# Altium PCB CHAHARDOLI-7 ADAD METAL.PcbDoc (part 10 of 10)
Units mm, origin at the board's own origin, x right, y up, seen from the top; angles counter-clockwise.
Board outline 151 x 86.38 mm, 2 copper layers (Top Layer, Bottom Layer); 1512 components, 81 nets, 3736 pads, 768 vias.
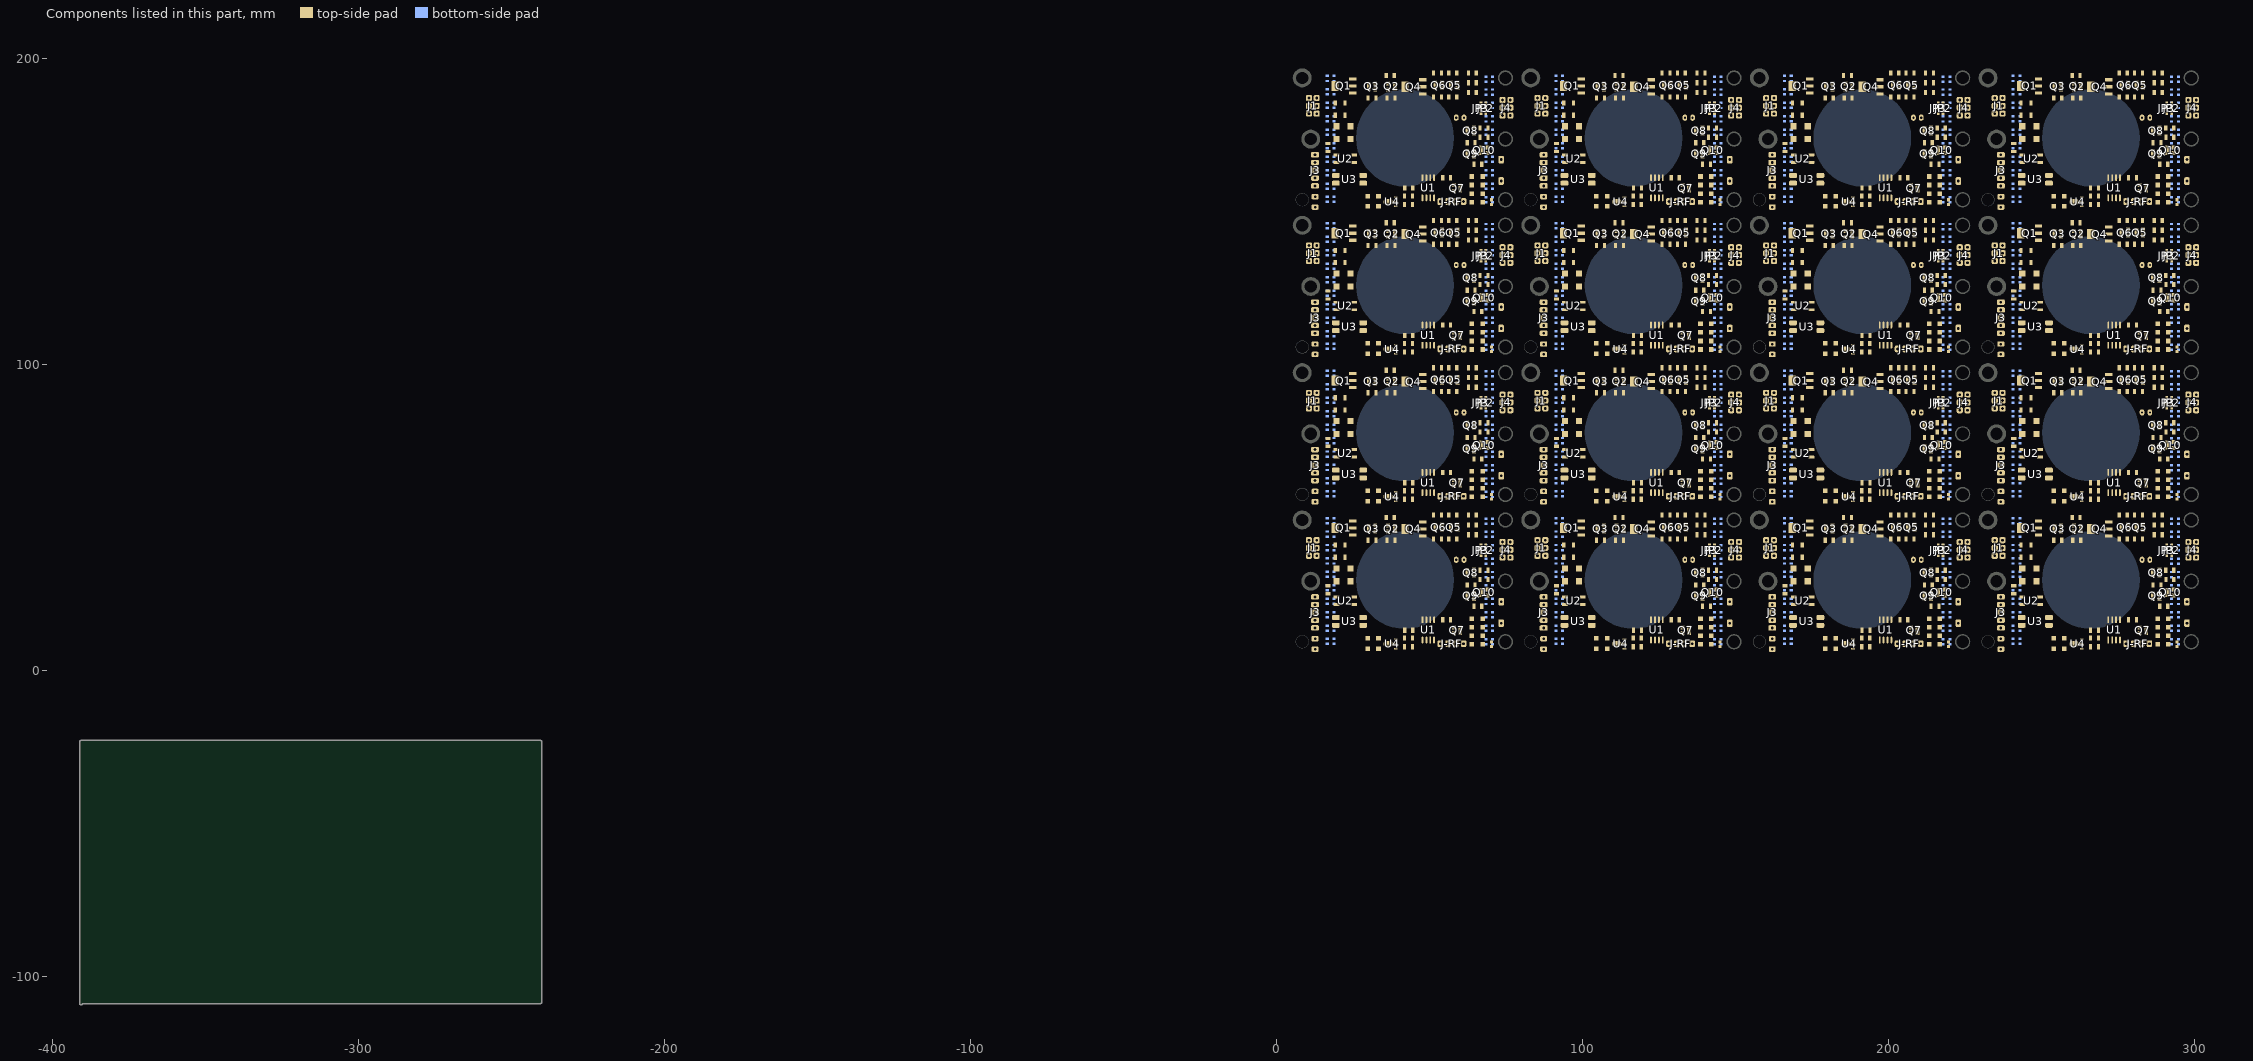
[diagram p10: the components of this part, seen from the top]

## Silkscreen, mask and mechanical layers (free items; w line width, h text height)
Top Overlay:
  drawing of 1904 lines, arcs and shapes, not listed
  text "CHAHARDOLI-7 SERI-MESHKI TOP--SEFID BOT---GHETE 2 ATRAF" at 111.4,198.6 h1.5
  text "53" at 22.736,189.845 h2 r90
  text "53" at 97.424,189.845 h2 r90
  text "53" at 172.112,189.845 h2 r90
  text "53" at 246.8,189.845 h2 r90
  text "56" at 45.336,189.545 h2 r90
  text "56" at 120.024,189.545 h2 r90
  text "56" at 194.712,189.545 h2 r90
  text "56" at 269.4,189.545 h2 r90
  text "Touched" at 69.536,187.129 h1.52 r180
  text "Touched" at 144.224,187.129 h1.52 r180
  text "Touched" at 218.912,187.129 h1.52 r180
  text "Touched" at 293.6,187.129 h1.52 r180
  text "KEY" at 6.72,183.145 h1.52 r90
  text "KEY" at 81.408,183.145 h1.52 r90
  text "KEY" at 156.096,183.145 h1.52 r90
  text "KEY" at 230.784,183.145 h1.52 r90
  text "LED" at 17.536,182.945 h1.52 r90
  text "LED" at 92.224,182.945 h1.52 r90
  text "LED" at 166.912,182.945 h1.52 r90
  text "LED" at 241.6,182.945 h1.52 r90
  text "W" at 65.736,182.845 h2 r90
  text "W" at 140.424,182.845 h2 r90
  text "W" at 215.112,182.845 h2 r90
  text "W" at 289.8,182.845 h2 r90
  text "Untouched" at 69.536,180.929 h1.52 r180
  text "Untouched" at 144.224,180.929 h1.52 r180
  text "Untouched" at 218.912,180.929 h1.52 r180
  text "Untouched" at 293.6,180.929 h1.52 r180
  text "G  R  B" at 71.736,180.345 h2.5 r90
  text "G  R  B" at 146.424,180.345 h2.5 r90
  text "G  R  B" at 221.112,180.345 h2.5 r90
  text "G  R  B" at 295.8,180.345 h2.5 r90
  text "ACS" at 17.918,176.345 h1.7 r90
  text "ACS" at 92.606,176.345 h1.7 r90
  text "ACS" at 167.294,176.345 h1.7 r90
  text "ACS" at 241.982,176.345 h1.7 r90
  text "M7" at 17.918,172.945 h1.7 r90
  text "M7" at 92.606,172.945 h1.7 r90
  text "M7" at 167.294,172.945 h1.7 r90
  text "M7" at 241.982,172.945 h1.7 r90
  text "ACS" at 14.536,167.763 h1.7
  text "ACS" at 89.224,167.763 h1.7
  text "ACS" at 163.912,167.763 h1.7
  text "ACS" at 238.6,167.763 h1.7
  text "GND" at 14.536,165.363 h1.7
  text "GND" at 89.224,165.363 h1.7
  text "GND" at 163.912,165.363 h1.7
  text "GND" at 238.6,165.363 h1.7
  text "SN" at 54.536,162.945 h2.8 r90
  text "SN" at 129.224,162.945 h2.8 r90
  text "SN" at 203.912,162.945 h2.8 r90
  text "SN" at 278.6,162.945 h2.8 r90
  text "KEY" at 14.536,162.763 h1.7
  text "KEY" at 89.224,162.763 h1.7
  text "KEY" at 163.912,162.763 h1.7
  text "KEY" at 238.6,162.763 h1.7
  text "LED" at 14.536,160.145 h1.7
  text "LED" at 89.224,160.145 h1.7
  text "LED" at 163.912,160.145 h1.7
  text "LED" at 238.6,160.145 h1.7
  text "+24" at 14.736,157.763 h1.7
  text "+24" at 89.424,157.763 h1.7
  text "+24" at 164.112,157.763 h1.7
  text "+24" at 238.8,157.763 h1.7
  text "53" at 22.736,141.7 h2 r90
  text "53" at 97.424,141.7 h2 r90
  text "53" at 172.112,141.7 h2 r90
  text "53" at 246.8,141.7 h2 r90
  text "56" at 45.336,141.4 h2 r90
  text "56" at 120.024,141.4 h2 r90
  text "56" at 194.712,141.4 h2 r90
  text "56" at 269.4,141.4 h2 r90
  text "Touched" at 69.536,138.984 h1.52 r180
  text "Touched" at 144.224,138.984 h1.52 r180
  text "Touched" at 218.912,138.984 h1.52 r180
  text "Touched" at 293.6,138.984 h1.52 r180
  text "KEY" at 6.72,135 h1.52 r90
  text "KEY" at 81.408,135 h1.52 r90
  text "KEY" at 156.096,135 h1.52 r90
  text "KEY" at 230.784,135 h1.52 r90
  text "LED" at 17.536,134.8 h1.52 r90
  text "LED" at 92.224,134.8 h1.52 r90
  text "LED" at 166.912,134.8 h1.52 r90
  text "LED" at 241.6,134.8 h1.52 r90
  text "W" at 65.736,134.7 h2 r90
  text "W" at 140.424,134.7 h2 r90
  text "W" at 215.112,134.7 h2 r90
  text "W" at 289.8,134.7 h2 r90
  text "Untouched" at 69.536,132.784 h1.52 r180
  text "Untouched" at 144.224,132.784 h1.52 r180
  text "Untouched" at 218.912,132.784 h1.52 r180
  text "Untouched" at 293.6,132.784 h1.52 r180
  text "G  R  B" at 71.736,132.2 h2.5 r90
  text "G  R  B" at 146.424,132.2 h2.5 r90
  text "G  R  B" at 221.112,132.2 h2.5 r90
  text "G  R  B" at 295.8,132.2 h2.5 r90
  text "ACS" at 17.918,128.2 h1.7 r90
  text "ACS" at 92.606,128.2 h1.7 r90
  text "ACS" at 167.294,128.2 h1.7 r90
  text "ACS" at 241.982,128.2 h1.7 r90
  text "M7" at 17.918,124.8 h1.7 r90
  text "M7" at 92.606,124.8 h1.7 r90
  text "M7" at 167.294,124.8 h1.7 r90
  text "M7" at 241.982,124.8 h1.7 r90
  text "ACS" at 14.536,119.618 h1.7
  text "ACS" at 89.224,119.618 h1.7
  text "ACS" at 163.912,119.618 h1.7
  text "ACS" at 238.6,119.618 h1.7
  text "GND" at 14.536,117.218 h1.7
  text "GND" at 89.224,117.218 h1.7
  text "GND" at 163.912,117.218 h1.7
  text "GND" at 238.6,117.218 h1.7
  text "SN" at 54.536,114.8 h2.8 r90
  text "SN" at 129.224,114.8 h2.8 r90
  text "SN" at 203.912,114.8 h2.8 r90
  text "SN" at 278.6,114.8 h2.8 r90
  text "KEY" at 14.536,114.618 h1.7
  text "KEY" at 89.224,114.618 h1.7
  text "KEY" at 163.912,114.618 h1.7
  text "KEY" at 238.6,114.618 h1.7
  text "LED" at 14.536,112 h1.7
  text "LED" at 89.224,112 h1.7
  text "LED" at 163.912,112 h1.7
  text "LED" at 238.6,112 h1.7
  text "+24" at 14.736,109.618 h1.7
  text "+24" at 89.424,109.618 h1.7
  text "+24" at 164.112,109.618 h1.7
  text "+24" at 238.8,109.618 h1.7
  text "53" at 22.736,93.555 h2 r90
  text "53" at 97.424,93.555 h2 r90
  text "53" at 172.112,93.555 h2 r90
  text "53" at 246.8,93.555 h2 r90
  text "56" at 45.336,93.255 h2 r90
  text "56" at 120.024,93.255 h2 r90
  text "56" at 194.712,93.255 h2 r90
  text "56" at 269.4,93.255 h2 r90
  text "Touched" at 69.536,90.839 h1.52 r180
  text "Touched" at 144.224,90.839 h1.52 r180
  text "Touched" at 218.912,90.839 h1.52 r180
  text "Touched" at 293.6,90.839 h1.52 r180
  text "KEY" at 6.72,86.855 h1.52 r90
  text "KEY" at 81.408,86.855 h1.52 r90
  text "KEY" at 156.096,86.855 h1.52 r90
  text "KEY" at 230.784,86.855 h1.52 r90
  text "LED" at 17.536,86.655 h1.52 r90
  text "LED" at 92.224,86.655 h1.52 r90
  text "LED" at 166.912,86.655 h1.52 r90
  text "LED" at 241.6,86.655 h1.52 r90
  text "W" at 65.736,86.555 h2 r90
  text "W" at 140.424,86.555 h2 r90
  text "W" at 215.112,86.555 h2 r90
  text "W" at 289.8,86.555 h2 r90
  text "Untouched" at 69.536,84.639 h1.52 r180
  text "Untouched" at 144.224,84.639 h1.52 r180
  text "Untouched" at 218.912,84.639 h1.52 r180
  text "Untouched" at 293.6,84.639 h1.52 r180
  text "G  R  B" at 71.736,84.055 h2.5 r90
  text "G  R  B" at 146.424,84.055 h2.5 r90
  text "G  R  B" at 221.112,84.055 h2.5 r90
  text "G  R  B" at 295.8,84.055 h2.5 r90
  text "ACS" at 17.918,80.055 h1.7 r90
  text "ACS" at 92.606,80.055 h1.7 r90
  text "ACS" at 167.294,80.055 h1.7 r90
  text "ACS" at 241.982,80.055 h1.7 r90
  text "M7" at 17.918,76.655 h1.7 r90
  text "M7" at 92.606,76.655 h1.7 r90
  text "M7" at 167.294,76.655 h1.7 r90
  text "M7" at 241.982,76.655 h1.7 r90
  text "ACS" at 14.536,71.473 h1.7
  text "ACS" at 89.224,71.473 h1.7
  text "ACS" at 163.912,71.473 h1.7
  text "ACS" at 238.6,71.473 h1.7
  text "GND" at 14.536,69.073 h1.7
  text "GND" at 89.224,69.073 h1.7
  text "GND" at 163.912,69.073 h1.7
  text "GND" at 238.6,69.073 h1.7
  text "SN" at 54.536,66.655 h2.8 r90
  text "SN" at 129.224,66.655 h2.8 r90
  text "SN" at 203.912,66.655 h2.8 r90
  text "SN" at 278.6,66.655 h2.8 r90
  text "KEY" at 14.536,66.473 h1.7
  text "KEY" at 89.224,66.473 h1.7
  text "KEY" at 163.912,66.473 h1.7
  text "KEY" at 238.6,66.473 h1.7
  text "LED" at 14.536,63.855 h1.7
  text "LED" at 89.224,63.855 h1.7
  text "LED" at 163.912,63.855 h1.7
  text "LED" at 238.6,63.855 h1.7
  text "+24" at 14.736,61.473 h1.7
  text "+24" at 89.424,61.473 h1.7
  text "+24" at 164.112,61.473 h1.7
  text "+24" at 238.8,61.473 h1.7
  text "53" at 22.736,45.41 h2 r90
  text "53" at 97.424,45.41 h2 r90
  text "53" at 172.112,45.41 h2 r90
  text "53" at 246.8,45.41 h2 r90
  text "56" at 45.336,45.11 h2 r90
  text "56" at 120.024,45.11 h2 r90
  text "56" at 194.712,45.11 h2 r90
  text "56" at 269.4,45.11 h2 r90
  text "Touched" at 69.536,42.694 h1.52 r180
  text "Touched" at 144.224,42.694 h1.52 r180
  text "Touched" at 218.912,42.694 h1.52 r180
  text "Touched" at 293.6,42.694 h1.52 r180
  text "KEY" at 6.72,38.71 h1.52 r90
  text "KEY" at 81.408,38.71 h1.52 r90
  text "KEY" at 156.096,38.71 h1.52 r90
  text "KEY" at 230.784,38.71 h1.52 r90
  text "LED" at 17.536,38.51 h1.52 r90
  text "LED" at 92.224,38.51 h1.52 r90
  text "LED" at 166.912,38.51 h1.52 r90
  text "LED" at 241.6,38.51 h1.52 r90
  text "W" at 65.736,38.41 h2 r90
  text "W" at 140.424,38.41 h2 r90
  text "W" at 215.112,38.41 h2 r90
  text "W" at 289.8,38.41 h2 r90
  text "Untouched" at 69.536,36.494 h1.52 r180
  text "Untouched" at 144.224,36.494 h1.52 r180
  text "Untouched" at 218.912,36.494 h1.52 r180
  text "Untouched" at 293.6,36.494 h1.52 r180
  text "G  R  B" at 71.736,35.91 h2.5 r90
  text "G  R  B" at 146.424,35.91 h2.5 r90
  text "G  R  B" at 221.112,35.91 h2.5 r90
  text "G  R  B" at 295.8,35.91 h2.5 r90
  text "ACS" at 17.918,31.91 h1.7 r90
  text "ACS" at 92.606,31.91 h1.7 r90
  text "ACS" at 167.294,31.91 h1.7 r90
  text "ACS" at 241.982,31.91 h1.7 r90
  text "M7" at 17.918,28.51 h1.7 r90
  text "M7" at 92.606,28.51 h1.7 r90
  text "M7" at 167.294,28.51 h1.7 r90
  text "M7" at 241.982,28.51 h1.7 r90
  text "ACS" at 14.536,23.327 h1.7
  text "ACS" at 89.224,23.327 h1.7
  text "ACS" at 163.912,23.327 h1.7
  text "ACS" at 238.6,23.327 h1.7
  text "GND" at 14.536,20.927 h1.7
  text "GND" at 89.224,20.927 h1.7
  text "GND" at 163.912,20.927 h1.7
  text "GND" at 238.6,20.927 h1.7
  text "SN" at 54.536,18.51 h2.8 r90
  text "SN" at 129.224,18.51 h2.8 r90
  text "SN" at 203.912,18.51 h2.8 r90
  text "SN" at 278.6,18.51 h2.8 r90
  text "KEY" at 14.536,18.327 h1.7
  text "KEY" at 89.224,18.327 h1.7
  text "KEY" at 163.912,18.327 h1.7
  text "KEY" at 238.6,18.327 h1.7
  text "LED" at 14.536,15.71 h1.7
  text "LED" at 89.224,15.71 h1.7
  text "LED" at 163.912,15.71 h1.7
  text "LED" at 238.6,15.71 h1.7
  text "+24" at 14.736,13.327 h1.7
  text "+24" at 89.424,13.327 h1.7
  text "+24" at 164.112,13.327 h1.7
  text "+24" at 238.8,13.327 h1.7
Bottom Overlay:
  drawing of 768 lines, arcs and shapes, not listed
  text "CHAHARDOLI-7 SERI-MESHKI TOP--SEFID BOT---GHETE 2 ATRAF" at 171.4,198.2 h1.5
Top Solder:
  text "TOP" at 268.952,198.943 h2.5
  text "TOP" at 2.924,163.418 h2.5 r90
  text "TOP" at 304.477,39.088 h2.5 r270
  text "TOP" at 38.449,3.563 h2.5 r180
Bottom Solder:
  text "BOT" at 39.799,199.193 h2.5
  text "BOT" at 304.727,162.068 h2.5 r270
  text "BOT" at 2.674,40.438 h2.5 r90
  text "BOT" at 267.602,3.313 h2.5 r180

## Text inside footprints (layer, text, board x,y; h text height)
Buzzer1: Top Overlay "+" at 296.13,14.649 h1.52 r90
Buzzer1: Top Overlay "+" at 296.13,62.794 h1.52 r90
Buzzer1: Top Overlay "+" at 296.13,110.939 h1.52 r90
Buzzer1: Top Overlay "+" at 296.13,159.084 h1.52 r90
Buzzer1: Top Overlay "+" at 221.442,159.084 h1.52 r90
Buzzer1: Top Overlay "+" at 221.442,110.939 h1.52 r90
Buzzer1: Top Overlay "+" at 221.442,62.794 h1.52 r90
Buzzer1: Top Overlay "+" at 221.442,14.649 h1.52 r90
Buzzer1: Top Overlay "+" at 146.754,159.084 h1.52 r90
Buzzer1: Top Overlay "+" at 146.754,110.939 h1.52 r90
Buzzer1: Top Overlay "+" at 146.754,62.794 h1.52 r90
Buzzer1: Top Overlay "+" at 146.754,14.649 h1.52 r90
Buzzer1: Top Overlay "+" at 72.066,159.084 h1.52 r90
Buzzer1: Top Overlay "+" at 72.066,110.939 h1.52 r90
Buzzer1: Top Overlay "+" at 72.066,62.794 h1.52 r90
Buzzer1: Top Overlay "+" at 72.066,14.649 h1.52 r90
Designator95_2: Top Layer "TOPR" at 3.141,5.341 h2.5 r90; Bottom Layer "BOTR" at 0.041,23.641 h2.5 r270
Designator95_2: Top Layer "TOP" at 4.652,0.996 h3; Bottom Layer "BOT" at 22.952,4.096 h3 r180
Designator95_2: Top Layer "TOPR" at 4.702,198.726 h2.5; Bottom Layer "BOTR" at 23.002,201.826 h2.5 r180
Designator95_2: Top Layer "TOP" at 0.357,197.215 h3 r270; Bottom Layer "BOT" at 3.457,178.915 h3 r90
Designator95_2: Top Layer "TOPR" at 304.26,197.165 h2.5 r270; Bottom Layer "BOTR" at 307.36,178.865 h2.5 r90
Designator95_2: Top Layer "TOP" at 302.749,201.51 h3 r180; Bottom Layer "BOT" at 284.449,198.41 h3
Designator95_2: Top Layer "TOPR" at 302.699,3.78 h2.5 r180; Bottom Layer "BOTR" at 284.399,0.68 h2.5
Designator95_2: Top Layer "TOP" at 307.044,5.291 h3 r90; Bottom Layer "BOT" at 303.944,23.591 h3 r270
Designator95_2: Top Overlay "TOP" at 4.652,0.996 h3; Bottom Overlay "BOT" at 22.952,4.096 h3 r180
Designator95_2: Top Overlay "TOP" at 4.652,0.996 h3; Bottom Layer "BOT" at 22.952,4.096 h3 r180
Designator95_2: Top Overlay "TOP" at 0.357,197.215 h3 r270; Bottom Overlay "BOT" at 3.457,178.915 h3 r90
Designator95_2: Top Overlay "TOP" at 0.357,197.215 h3 r270; Bottom Layer "BOT" at 3.457,178.915 h3 r90
Designator95_2: Top Overlay "TOP" at 302.749,201.51 h3 r180; Bottom Overlay "BOT" at 284.449,198.41 h3
Designator95_2: Top Overlay "TOP" at 302.749,201.51 h3 r180; Bottom Layer "BOT" at 284.449,198.41 h3
Designator95_2: Top Overlay "TOP" at 307.044,5.291 h3 r90; Bottom Overlay "BOT" at 303.944,23.591 h3 r270
Designator95_2: Top Overlay "TOP" at 307.044,5.291 h3 r90; Bottom Layer "BOT" at 303.944,23.591 h3 r270
Designator95_2: Bottom Layer "BOT" at 22.952,4.096 h3 r180; Top Solder "TOP" at 4.652,0.996 h3
Designator95_2: Bottom Layer "BOT" at 22.952,4.096 h3 r180; Top Solder "TOP" at 4.652,0.996 h3
Designator95_2: Bottom Layer "BOT" at 3.457,178.915 h3 r90; Top Solder "TOP" at 0.357,197.215 h3 r270
Designator95_2: Bottom Layer "BOT" at 3.457,178.915 h3 r90; Top Solder "TOP" at 0.357,197.215 h3 r270
Designator95_2: Bottom Layer "BOT" at 284.449,198.41 h3; Top Solder "TOP" at 302.749,201.51 h3 r180
Designator95_2: Bottom Layer "BOT" at 284.449,198.41 h3; Top Solder "TOP" at 302.749,201.51 h3 r180
Designator95_2: Bottom Layer "BOT" at 303.944,23.591 h3 r270; Top Solder "TOP" at 307.044,5.291 h3 r90
Designator95_2: Bottom Layer "BOT" at 303.944,23.591 h3 r270; Top Solder "TOP" at 307.044,5.291 h3 r90
U2: Top Overlay "+" at 247.899,21.845 h0.81 r180; Top Overlay "-" at 247.9,24.134 h0.81 r180
U2: Top Overlay "-" at 247.9,72.279 h0.81 r180; Top Overlay "+" at 247.899,69.99 h0.81 r180
U2: Top Overlay "-" at 247.9,120.425 h0.81 r180; Top Overlay "+" at 247.899,118.135 h0.81 r180
U2: Top Overlay "-" at 247.9,168.57 h0.81 r180; Top Overlay "+" at 247.899,166.28 h0.81 r180
U2: Top Overlay "-" at 173.211,168.57 h0.81 r180; Top Overlay "+" at 173.211,166.28 h0.81 r180
U2: Top Overlay "-" at 173.211,120.425 h0.81 r180; Top Overlay "+" at 173.211,118.135 h0.81 r180
U2: Top Overlay "-" at 173.211,72.279 h0.81 r180; Top Overlay "+" at 173.211,69.99 h0.81 r180
U2: Top Overlay "-" at 173.211,24.134 h0.81 r180; Top Overlay "+" at 173.211,21.845 h0.81 r180
U2: Top Overlay "-" at 98.523,168.57 h0.81 r180; Top Overlay "+" at 98.523,166.28 h0.81 r180
U2: Top Overlay "-" at 98.523,120.425 h0.81 r180; Top Overlay "+" at 98.523,118.135 h0.81 r180
U2: Top Overlay "-" at 98.523,72.279 h0.81 r180; Top Overlay "+" at 98.523,69.99 h0.81 r180
U2: Top Overlay "-" at 98.523,24.134 h0.81 r180; Top Overlay "+" at 98.523,21.845 h0.81 r180
U2: Top Overlay "-" at 23.835,168.57 h0.81 r180; Top Overlay "+" at 23.834,166.28 h0.81 r180
U2: Top Overlay "-" at 23.835,120.425 h0.81 r180; Top Overlay "+" at 23.834,118.135 h0.81 r180
U2: Top Overlay "-" at 23.835,72.279 h0.81 r180; Top Overlay "+" at 23.834,69.99 h0.81 r180
U2: Top Overlay "-" at 23.835,24.134 h0.81 r180; Top Overlay "+" at 23.834,21.845 h0.81 r180